# Altium PCB FMC_ADC_130M_16B_4CH.PcbDoc (part 1 of 8) (continued)
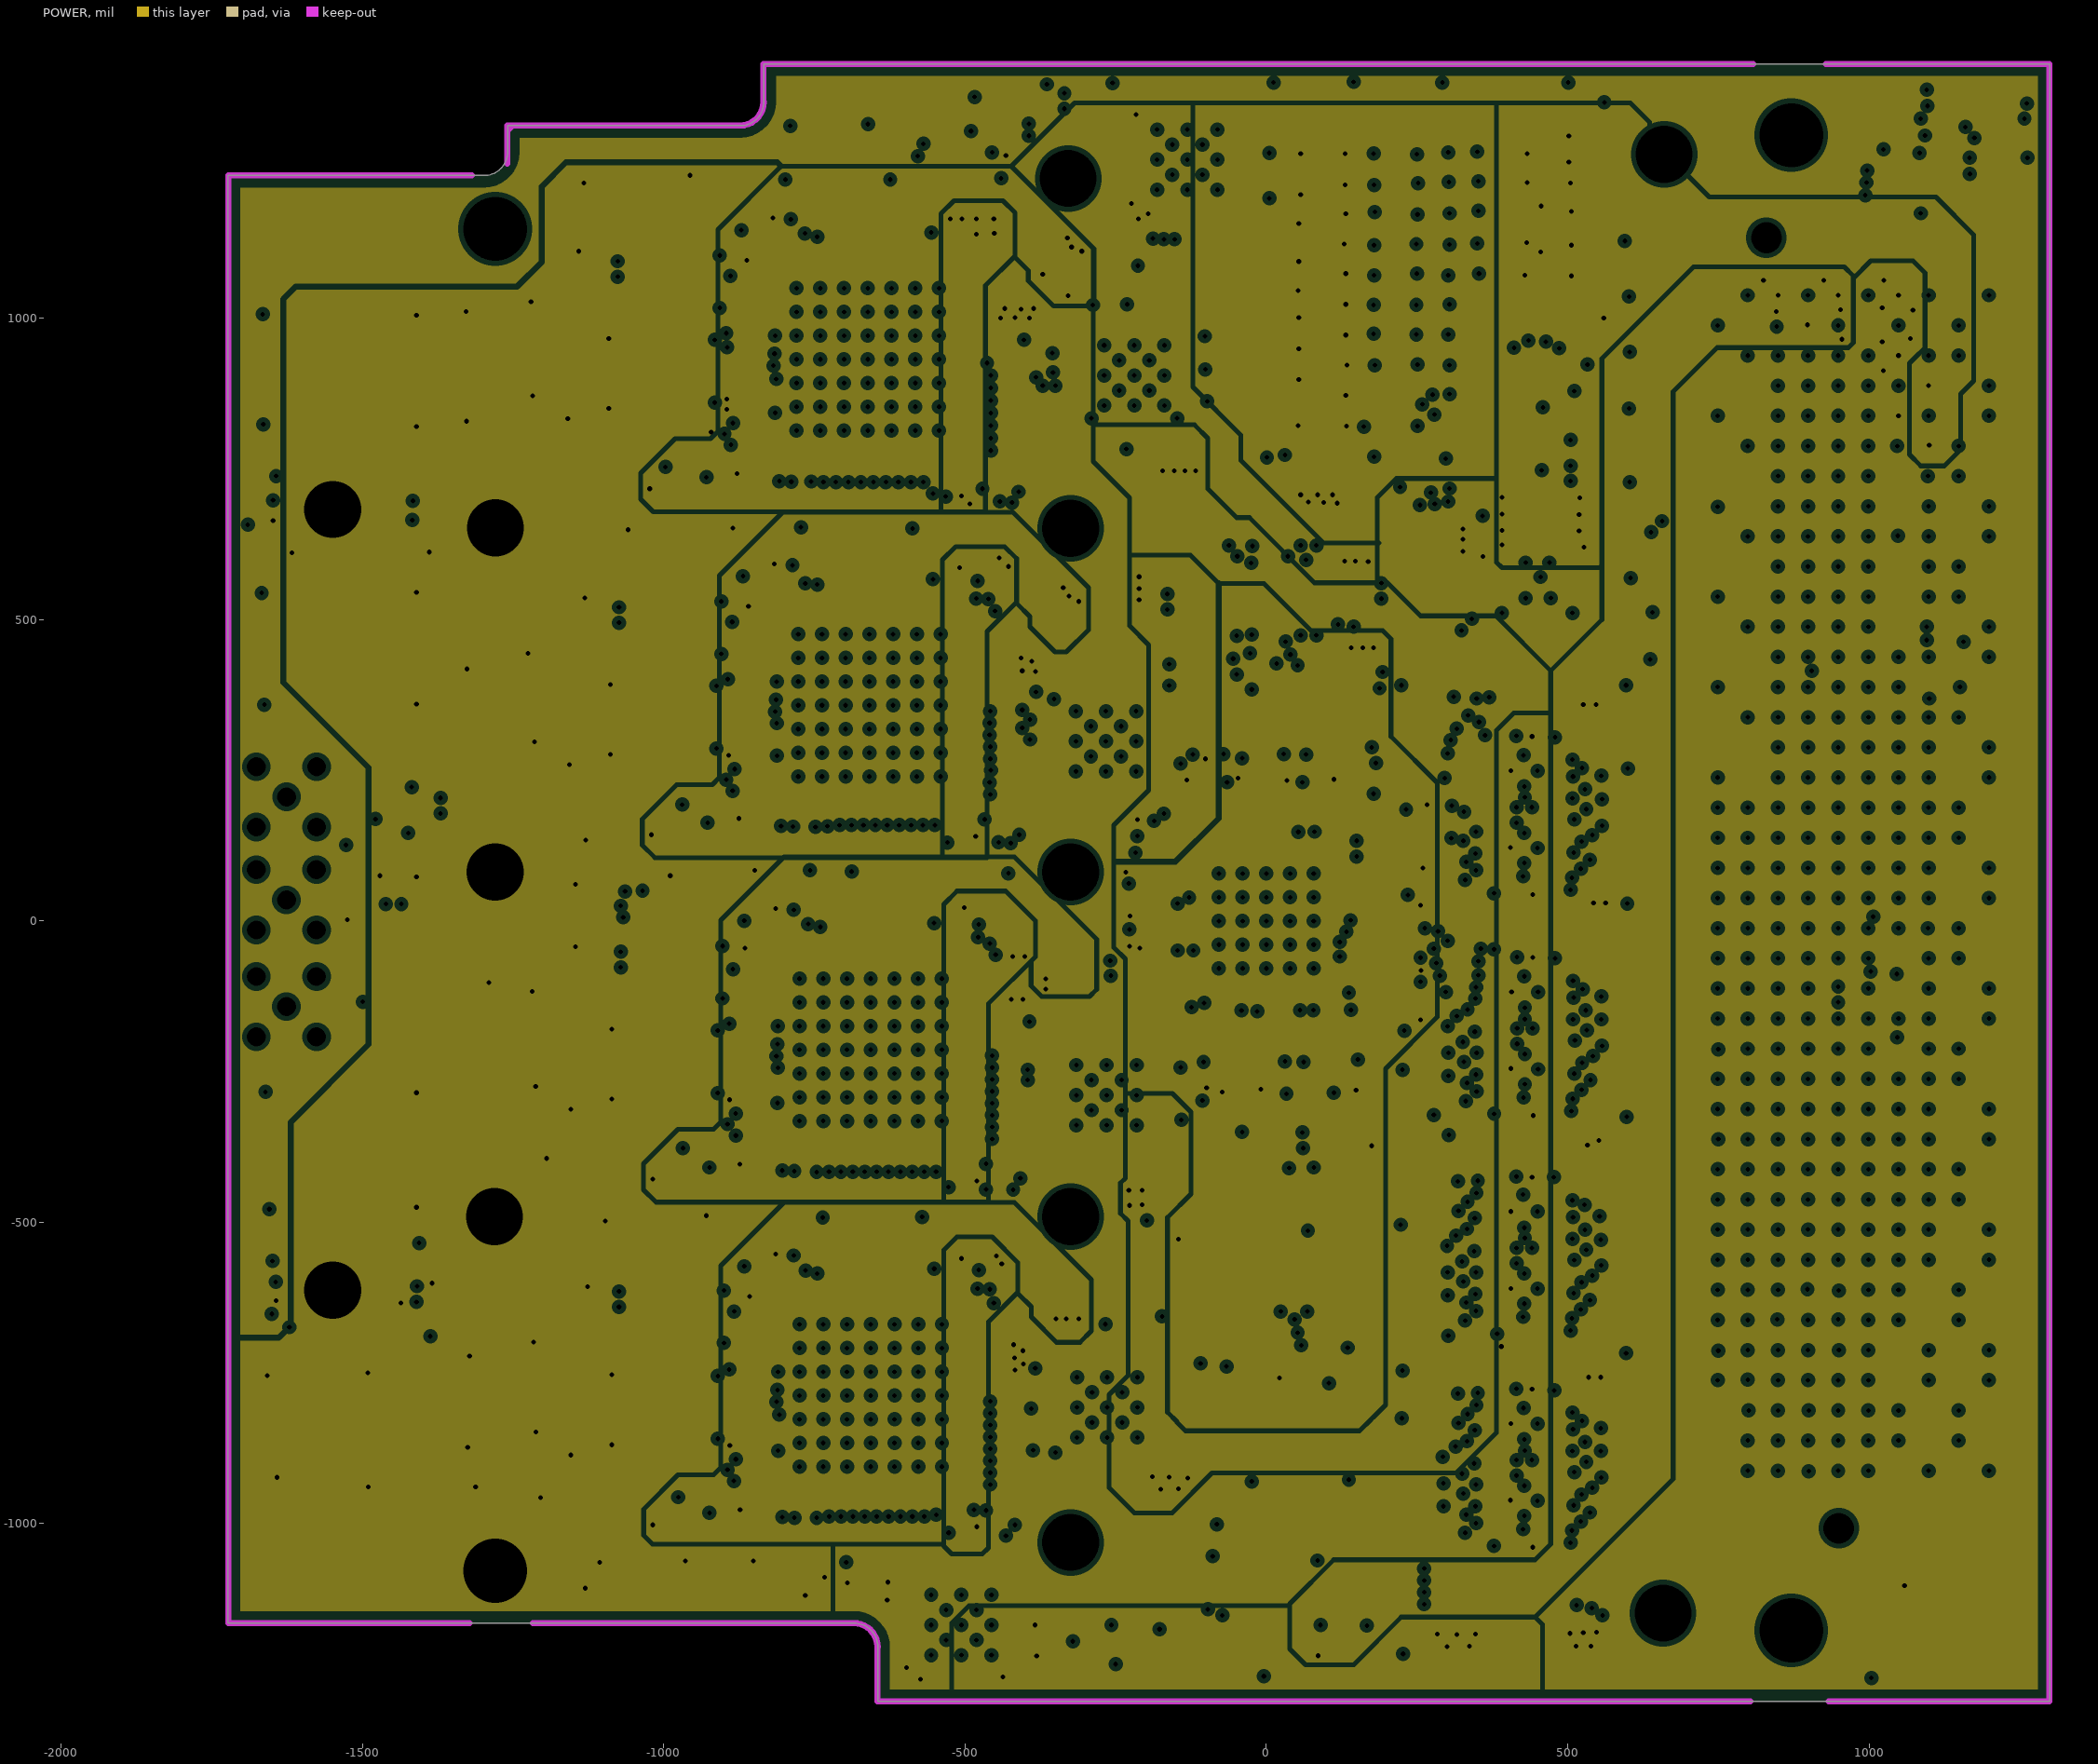
[diagram p7: POWER, clearances drawn from the general rule]
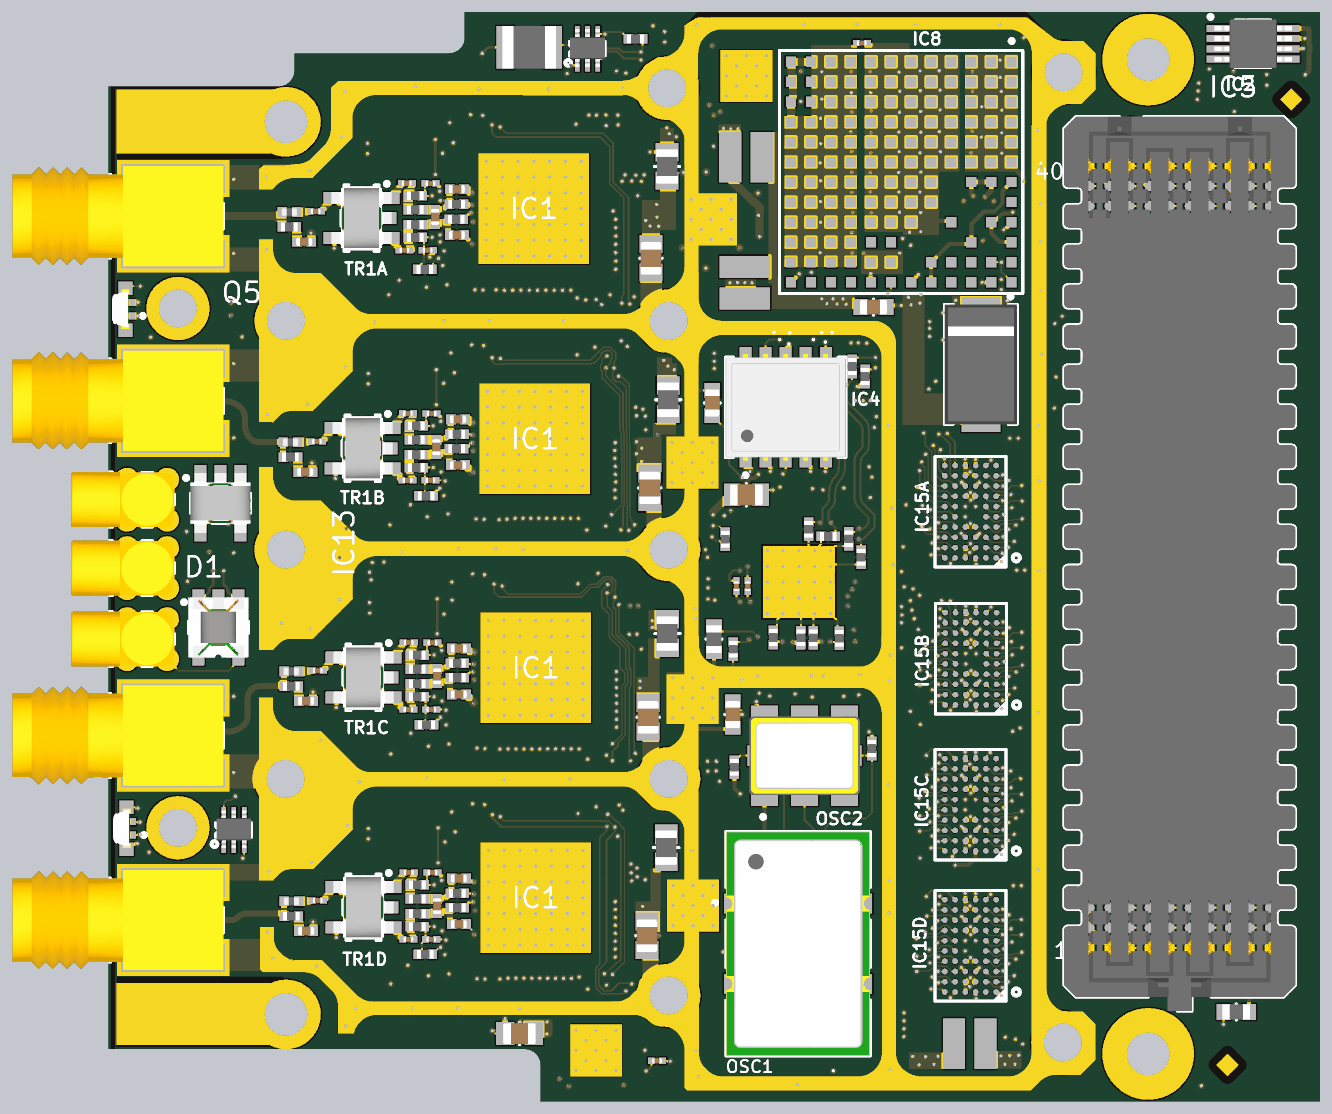
[diagram p15: 3D render of the assembled board from above, using the file's embedded part models]
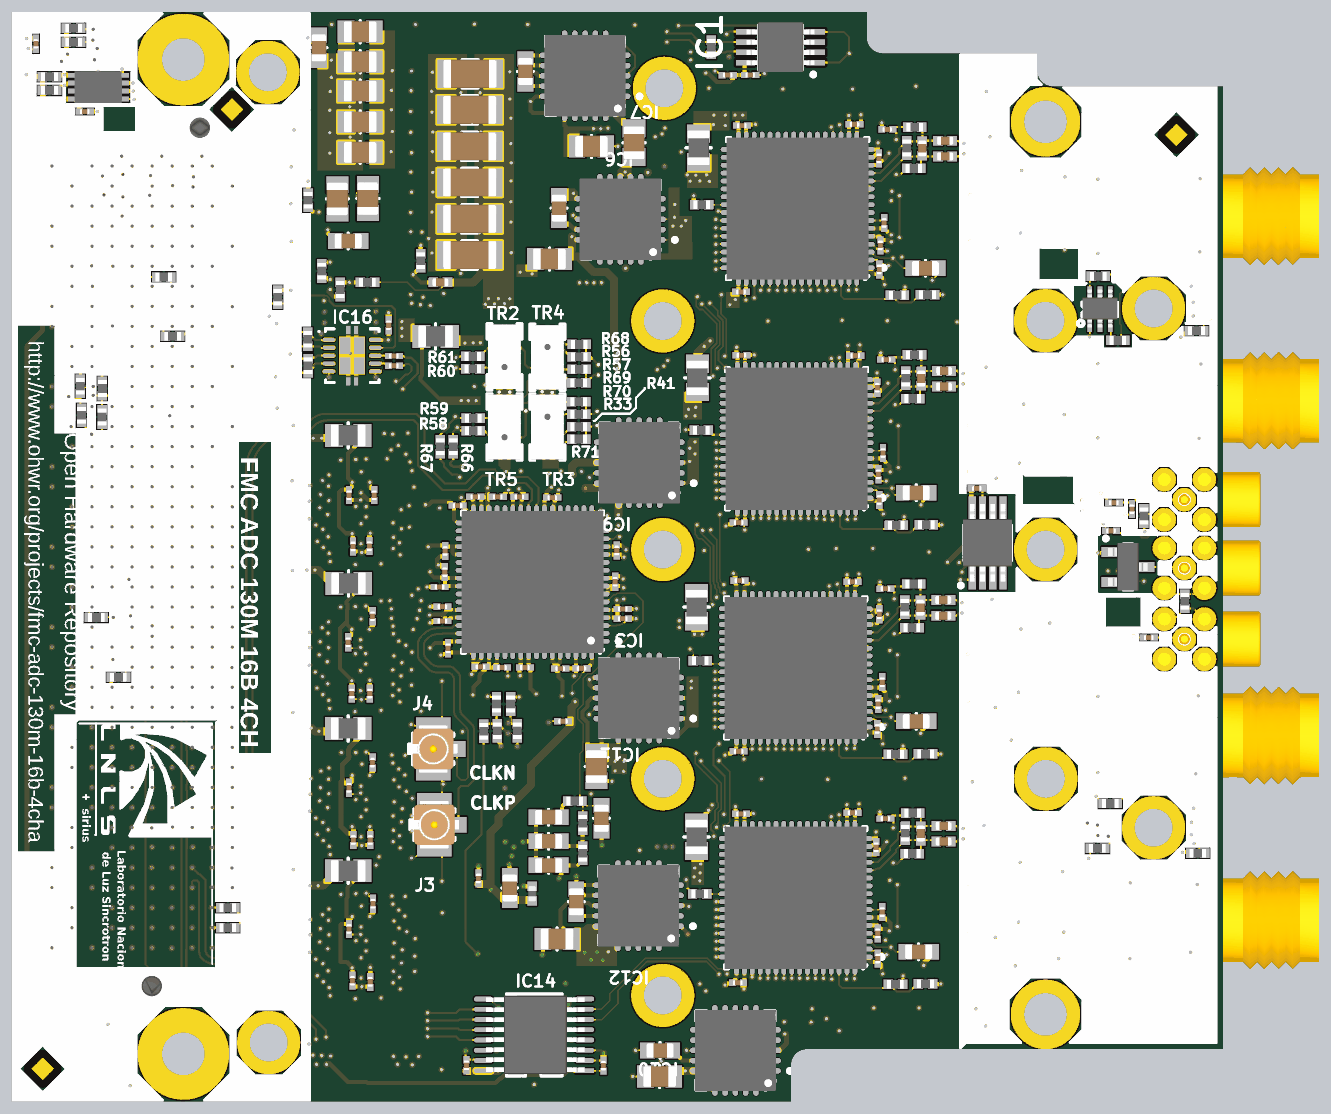
[diagram p16: 3D render of the assembled board from below, using the file's embedded part models]

## Layer stack, top to bottom
Top Layer: signal copper 1.378
Dielectric: prepreg 4.3307, FR-4, Dk 4.8
GND1: plane copper 0.7087, net GND
Dielectric: core 3.937, FR-4, Dk 4.8
L3: signal copper 0.7087
Dielectric: prepreg 11.4173, FR-4, Dk 4.8
GND2: plane copper 1.378, net GND
Dielectric: core 3.937, FR-4, Dk 4.8
L5: signal copper 1.378
Dielectric: prepreg 11.4173, FR-4, Dk 4.8
GND3: plane copper 0.7087, net GND
Dielectric: core 3.937, FR-4, Dk 4.8
POWER: plane copper 1.378, net (Multiple Nets)
Dielectric: prepreg 4.3307, FR-4, Dk 4.8
Bottom Layer: signal copper 1.378

## Board outline
-1722.68,-1164.97 -1722.68,1236.6 -1298.11,1236.6 ccw(c-1298.11,1275.97) -1258.74,1275.97 -1258.74,1319.28 -872.91,1319.28 ccw(c-872.91,1358.65) -833.54,1358.65 -833.54,1421.64 1300.32,1421.64 1300.32,-1294.9 -644.57,-1294.9 -644.57,-1204.35 ccw(c-683.94,-1204.35) -683.94,-1164.98 -683.94,-1164.97

## Design rules (kind name [scope] priority, off if disabled: settings)
AcuteAngle [All] p1: minimum=4.50000000000000E+0001 checktracksonly=FALSE
AssemblyTestPointUsage [All] p1 off:
AssemblyTestpoint [All] p1 off: testpointundercomponent=TRUE minsize=40 maxsize=100 preferedsize=60 minholesize=0 maxholesize=40 preferedholesize=32 testpointgrid=1 usegrid=TRUE gridtolerance=0.01 allowsidetop=TRUE allowsidebottom=TRUE
Clearance "Clearance_gnd l3" [(InNamedPolygon('gnd L3'))] p1: gap=15
Clearance "Clearance_poly gnd" [(InNamedPolygon('Top Layer-No Net') AND InNet('GND'))] p2: gap=10
Clearance Clearance_1 [InNet('EXT_CLK_IN') vs InNetClass('Power')] p3 off: gap=10
Clearance Clearance_trou [InNetClass('ADC_data') vs InNetClass('ADC_data')] p4 off: gap=4
Clearance [All] p5: gap=3
ComponentClearance NO_DRC [InComponentClass('NO_DRC')] p1 off: gap=0 collisioncheckmode=3 verticalgap=100000 showdistances=FALSE
ComponentClearance [All] p2 off: gap=1 collisioncheckmode=3 verticalgap=100000 showdistances=FALSE
DiffPairsRouting [All] p1: maxlimit=12 minlimit=8 mostfreqgap=10 maxuncoupledlength=600
FabricationTestPointUsage TestPointUsage [All] p1 off: valid=0 allowmultiple=FALSE
FabricationTestpoint Testpoint [All] p1 off: side=3 testpointundercomponent=TRUE minsize=40 maxsize=100 preferedsize=60 minholesize=0 maxholesize=40 preferedholesize=32 testpointgrid=1 allowsidetop=TRUE allowsidebottom=TRUE usegrid=TRUE gridtolerance=0.01
FanoutControl Fanout_BGA [IsBGA] p1 off: bgadir=Out bgaviamode=Centered fanoutstyle=Auto fanoutdirection=Alternating viagrid=1 // Fanout_BGA (Default Rule)
FanoutControl Fanout_LCC [IsLCC] p2 off: bgadir=Out bgaviamode=Centered fanoutstyle=Auto fanoutdirection=Alternating viagrid=1 // Fanout_LCC (Default Rule)
FanoutControl Fanout_SOIC [IsSOIC] p3 off: bgadir=Out bgaviamode=Centered fanoutstyle=Auto fanoutdirection=Alternating viagrid=1 // Fanout_SOIC (Default Rule)
FanoutControl Fanout_Small [(CompPinCount < 5)] p4 off: bgadir=Out bgaviamode=Centered fanoutstyle=Auto fanoutdirection=OutThenIn viagrid=1 // Fanout_Small (Default Rule)
FanoutControl Fanout_Default [All] p5 off: bgadir=Out bgaviamode=Centered fanoutstyle=Auto fanoutdirection=Alternating viagrid=1 // Fanout_Default (Default Rule)
Height Height_Top [OnTop] p1 off: minheight=0 maxheight=370 prefheight=350
Height Height_Bot [OnBottom] p2 off: minheight=0 maxheight=58 prefheight=52
HoleSize [All] p1: absolutevalues=TRUE maxlimit=1000 minlimit=7.87 maxpercent=80.000 minpercent=20.000
HoleToHoleClearance [All] p1: gap=5 allowstackedmicrovias=TRUE
MinimumAnnularRing [All] p1: minimumring=3.94
MinimumSolderMaskSliver [All] p1 off: minsoldermaskwidth=1
PlaneClearance [All] p1: clearance=8
PlaneConnect Vias_Plane [IsVia] p1: planeconnectstyle=Direct reliefexpansion=20 reliefentries=4 reliefconductorwidth=10 reliefairgap=10
PlaneConnect [All] p2: planeconnectstyle=Relief reliefexpansion=8 reliefentries=4 reliefconductorwidth=10 reliefairgap=8
PolygonConnect Direc [InPadClass(Direc)] p1: connectstyle=Direct reliefconductorwidth=10 reliefentries=4 polygonreliefangle="90 Angle" airgapwidth=10
PolygonConnect Vias [IsVia] p2: connectstyle=Direct reliefconductorwidth=10 reliefentries=4 polygonreliefangle="90 Angle" airgapwidth=10
PolygonConnect [All] p3: connectstyle=Direct reliefconductorwidth=16 reliefentries=4 polygonreliefangle="90 Angle" airgapwidth=10
RoomDefinition U_ADC2 [InComponentClass('U_ADC2')] p1 off: confinementstyle=ConfineIn formatcopy=TRUE lockcomponents=FALSE outline -1313.28,94 -283.28,94 -283.28,641 -1313.28,641
RoomDefinition U_ADC1 [InComponentClass('U_ADC1')] p2 off: confinementstyle=ConfineIn formatcopy=TRUE lockcomponents=FALSE outline -1316,668 -286,668 -286,1215 -1316,1215
RoomDefinition U_BUFFER4 [InComponentClass('U_BUFFER4')] p3 off: confinementstyle=ConfineIn formatcopy=TRUE lockcomponents=FALSE outline 311,-1065 573,-1065 573,-666 311,-666
RoomDefinition U_BUFFER3 [InComponentClass('U_BUFFER3')] p4 off: confinementstyle=ConfineIn formatcopy=TRUE lockcomponents=FALSE outline 311,-713 573,-713 573,-314 311,-314
RoomDefinition U_BUFFER2 [InComponentClass('U_BUFFER2')] p5 off: confinementstyle=ConfineIn formatcopy=TRUE lockcomponents=FALSE outline 311,-349 573,-349 573,50 311,50
RoomDefinition U_BUFFER1 [InComponentClass('U_BUFFER1')] p6 off: confinementstyle=ConfineIn formatcopy=TRUE lockcomponents=FALSE outline 311,18 573,18 573,417 311,417
RoomDefinition U_ADC4 [InComponentClass('U_ADC4')] p7 off: confinementstyle=ConfineIn formatcopy=TRUE lockcomponents=FALSE outline -1311.09,-1051 -281.09,-1051 -281.09,-504 -1311.09,-504
RoomDefinition U_ADC3 [InComponentClass('U_ADC3')] p8 off: confinementstyle=ConfineIn formatcopy=TRUE lockcomponents=FALSE outline -1311.2,-477.57 -281.2,-477.57 -281.2,69.43 -1311.2,69.43
RoomDefinition "Trigger and leds" [InComponentClass('Trigger and leds')] p9 off: confinementstyle=ConfineIn formatcopy=TRUE lockcomponents=FALSE outline -952,1095 -278,1095 -278,1411 -952,1411
RoomDefinition PS [InComponentClass('PS')] p10 off: confinementstyle=ConfineIn formatcopy=TRUE lockcomponents=FALSE outline -564,-1306 164,-1306 164,1429 -564,1429
RoomDefinition J1 [InComponentClass('J1')] p11 off: confinementstyle=ConfineIn formatcopy=TRUE lockcomponents=FALSE outline 1344.21,1166.81 641,1166.81 641,-1037 1344.21,-1037
RoomDefinition FMC_130MSPS_4CH [InComponentClass('FMC_130MSPS_4CH')] p12 off: confinementstyle=ConfineIn formatcopy=TRUE lockcomponents=FALSE outline 475,868 1275,868 1275,1399 475,1399
RoomDefinition EEPROM [InComponentClass('EEPROM')] p13 off: confinementstyle=ConfineIn formatcopy=TRUE lockcomponents=FALSE outline 803,1411 1347,1411 1347,-1235 803,-1235
RoomDefinition ClK [InComponentClass('ClK')] p14 off: confinementstyle=ConfineIn formatcopy=TRUE lockcomponents=FALSE outline -379.99,-1266.46 302,-1266.46 302,730 -379.99,730
RoutingCorners [All] p1 off: cornerstyle=45-Degree minsetback=100 maxsetback=100
RoutingLayers [All] p1 off: top layer_v5=TRUE mid layer 1_v5=TRUE mid layer 2_v5=TRUE bottom layer_v5=TRUE
RoutingVias [All] p1: holewidth=7.87 width=15.75 viastyle="Through Hole" minholewidth=7.87 minwidth=15.75 maxholewidth=118.11 maxwidth=196.85
ShortCircuit SMA_1 [InPadClass('SMA')] p2: allowed=TRUE
SilkToSilkClearance [All] p1 off: silktosilkclearance=2
SilkscreenOverComponentPads [All] p1 off: minsilkscreentomaskgap=2
SolderMaskExpansion [All] p1: expansion=4
ViasUnderSMD ViasUnderSMD_allow [InComponent('IC1A')   or InComponent('IC1B') or        InComponent('IC1C')   or InComponent('IC1D') or InComponent('IC6')   or InComponent('IC7') or InComponent('IC9')   or InComponent('IC10') or InComponent('IC11')   or InComponent('IC12') or InComponent('IC15A')     or InComponent('IC15B') or InComponent('IC15C') or InComponent('IC15D')  or InComponent('IC16')  or InComponent('IC3')] p1: allowed=TRUE
ViasUnderSMD [All] p2: allowed=FALSE
Width Width_1 [InNetClass('Buff_data')] p1 off: maxlimit=6.39 minlimit=3.74 preferedwidth=5.3 toplayer_minwidth=4.37 midlayer1_maxwidth=6.14 midlayer1_prefwidth=4.83 midlayer2_minwidth=3.86 midlayer2_maxwidth=6.32 midlayer2_prefwidth=4.98 bottomlayer_minwidth=4.37 minimp=45.000000 maximp=55.000000 favimp=50.000000
Width Width_3 [(InNet('RF1') OR InNet('RF2') OR InNet('RF3') OR InNet('RF4') OR InNet('RF5') OR InNet('RF6') OR InNet('RF7') OR InNet('EXT_CLK_IN'))] p2 off: maxlimit=5.72 minlimit=4.15 preferedwidth=5.3 toplayer_minwidth=4.73 midlayer1_maxwidth=5.33 midlayer1_prefwidth=4.83 midlayer2_minwidth=4.29 midlayer2_maxwidth=5.49 midlayer2_prefwidth=4.98 bottomlayer_minwidth=4.73 minimp=48.000000 maximp=53.000000 favimp=50.000000
Width Width_Pair_Diff [(InDifferentialPairClass('All Differential Pairs'))] p3: maxlimit=5.72 minlimit=3.74 preferedwidth=5.3 toplayer_minwidth=4 midlayer1_maxwidth=5.33 midlayer1_prefwidth=4.83 midlayer2_minwidth=3.86 midlayer2_maxwidth=5.49 midlayer2_prefwidth=4.98 bottomlayer_minwidth=4 minimp=48.000000 maximp=55.000000 favimp=50.000000
Width [All] p4: maxlimit=100 minlimit=3 preferedwidth=10 toplayer_maxwidth=20 midlayer2_maxwidth=20 minimp=45.000000 maximp=110.000000 favimp=100.000000 checkconnectedcopper=TRUE
7 further rules are at their usual default settings.

## Classes and differential pairs
net class Power: GND P3V3_ADC1 P3V3_ADC2 P3V3_ADC3 P3V3_ADC4 P3V3_CLK
channel class ADC: U_ADC1 U_ADC2 U_ADC3 U_ADC4
component class U_ADC4: C1D C2D C3D C4D C5D C6D C7D C8D C9D C11D C12D C13D C14D C15D C16D C17D C18D C19D C20D C25D C26D IC1D L1D L2D L4D R1D R2D R3D R6D R8D R9D R10D R11D R13D R14D R15D R16D R17D R18D TR1D
component class U_ADC3: C1C C2C C3C C4C C5C C6C C7C C8C C9C C11C C12C C13C C14C C15C C16C C17C C18C C19C C20C C25C C26C IC1C L1C L2C L4C R1C R2C R3C R6C R8C R9C R10C R11C R13C R14C R15C R16C R17C R18C TR1C
component class U_ADC2: C1B C2B C3B C4B C5B C6B C7B C8B C9B C11B C12B C13B C14B C15B C16B C17B C18B C19B C20B C25B C26B IC1B L1B L2B L4B R1B R2B R3B R6B R8B R9B R10B R11B R13B R14B R15B R16B R17B R18B TR1B
component class U_ADC1: C1A C2A C3A C4A C5A C6A C7A C8A C9A C11A C12A C13A C14A C15A C16A C17A C18A C19A C20A C25A C26A IC1A L1A L2A L4A R1A R2A R3A R6A R8A R9A R10A R11A R13A R14A R15A R16A R17A R18A TR1A
component class "Trigger and leds": C103 C104 D1 IC17 LD2 Q5 R28 R75 R84 R85 R87 R88
component class PS: C27 C28 C29 C30 C32 C33 C34 C35 C36 C38 C44 C51 C52 C73 C75 C76 C77 C78 C79 C80 C81 C82 C84 C85 C86 C88 C91 C92 C93 C94 C95 C96 C97 C98 C99 C100 C101 C102 IC6 IC7 IC8 IC9 IC10 IC11 IC12 L3 L6 L7 L9 L10 L12 L13 L15 R78 R79 R80 R81 R82 R83
component class FMC_130MSPS_4CH: B5 B6 B7 B8 B9 B10 B11 B12 B13 B14 B15 B16 C37 C39 IC14 J1 J5 J6 J7 J8
component class EEPROM: C31 C41 C74 FTG1 FTG2 FTG3 FTG4 FTG5 FTG6 IC2 IC5 IC13 LD1 Q1 Q2 R4 R5 R12 R32 R35 R37 R39 R42 R43 R44 R64 R65
component class ClK: C8 C10 C40 C42 C43 C45 C46 C47 C48 C49 C50 C53 C54 C55 C56 C57 C58 C59 C60 C61 C62 C63 C64 C65 C66 C67 C68 C69 C70 C71 C72 C105 C106 C107 C108 C109 C110 IC3 IC4 IC16 J2 J3 J4 J10 L5 L8 OSC1 OSC2 R7 R19 R20 R21 R22 R24 R25 R26 R29 R30 R31 R33 R34 R36 R38 R40 R41 R45 R46 R47 R48 R49 R50 R51 R52 R53 R54 R55 R56 R57 R58 R59 R60 R61 R62 R63 R66 R67 R68 R69 R70 R71 R72 R73 TR2 TR3 TR4 TR5 TR6
component class J1: B1 B2 B3 B4 J9 R23 R27 R74
pad class SMA: J6-2 J7-2
pad class Direc: B1-1 B2-1 B3-1 B4-1 J3-37 J3-38
net class ADC_data: CH1.CLKOUTA CH1.DA0 CH1.DA1 CH1.DA2 CH1.DA3 CH1.DA4 CH1.DA5 CH1.DA6 CH1.DA7 CH1.DA8 CH1.DA9 CH1.DA10 CH1.DA11 CH1.DA12 CH1.DA13 CH1.DA14 CH1.DA15 CH1.OF_A CH2.CLKOUTA CH2.DA0 CH2.DA1 CH2.DA2 CH2.DA3 CH2.DA4 CH2.DA5 CH2.DA6 CH2.DA7 CH2.DA8 CH2.DA9 CH2.DA10 CH2.DA11 CH2.DA12 CH2.DA13 CH2.DA14 CH2.DA15 CH2.OF_A CH3.CLKOUTA CH3.DA0 CH3.DA1 CH3.DA2 CH3.DA3 CH3.DA4 CH3.DA5 CH3.DA6 CH3.DA7 CH3.DA8 CH3.DA9 CH3.DA10 CH3.DA11 CH3.DA12 CH3.DA13 CH3.DA14 CH3.DA15 CH3.OF_A CH4.CLKOUTA CH4.DA0 CH4.DA1 CH4.DA2 CH4.DA3 CH4.DA4 CH4.DA5 CH4.DA6 CH4.DA7 CH4.DA8 CH4.DA9 CH4.DA10 CH4.DA11 CH4.DA12 CH4.DA13 CH4.DA14 CH4.DA15 CH4.OF_A
component class U_BUFFER1: C21A C22A C23A C24A IC15A L14A
component class U_BUFFER2: C21B C22B C23B C24B IC15B L14B
component class U_BUFFER3: C21C C22C C23C C24C IC15C L14C
component class U_BUFFER4: C21D C22D C23D C24D IC15D L14D
net class CH1: CH1.CLKOUTA CH1.DA0 CH1.DA1 CH1.DA2 CH1.DA3 CH1.DA4 CH1.DA5 CH1.DA6 CH1.DA7 CH1.DA8 CH1.DA9 CH1.DA10 CH1.DA11 CH1.DA12 CH1.DA13 CH1.DA14 CH1.DA15 CH1.OF_A
net class CH2: CH2.CLKOUTA CH2.DA0 CH2.DA1 CH2.DA2 CH2.DA3 CH2.DA4 CH2.DA5 CH2.DA6 CH2.DA7 CH2.DA8 CH2.DA9 CH2.DA10 CH2.DA11 CH2.DA12 CH2.DA13 CH2.DA14 CH2.DA15 CH2.OF_A
net class CH3: CH3.CLKOUTA CH3.DA0 CH3.DA1 CH3.DA2 CH3.DA3 CH3.DA4 CH3.DA5 CH3.DA6 CH3.DA7 CH3.DA8 CH3.DA9 CH3.DA10 CH3.DA11 CH3.DA12 CH3.DA13 CH3.DA14 CH3.DA15 CH3.OF_A
net class CH4: CH4.CLKOUTA CH4.DA0 CH4.DA1 CH4.DA2 CH4.DA3 CH4.DA4 CH4.DA5 CH4.DA6 CH4.DA7 CH4.DA8 CH4.DA9 CH4.DA10 CH4.DA11 CH4.DA12 CH4.DA13 CH4.DA14 CH4.DA15 CH4.OF_A
channel class BUFFER: U_BUFFER1 U_BUFFER2 U_BUFFER3 U_BUFFER4
net class Buff_data: B_CLKOUTAA B_CLKOUTAB B_CLKOUTAC B_CLKOUTAD B_DA0A B_DA0B B_DA0C B_DA0D B_DA1A B_DA1B B_DA1C B_DA1D B_DA2A B_DA2B B_DA2C B_DA2D B_DA3A B_DA3B B_DA3C B_DA3D B_DA4A B_DA4B B_DA4C B_DA4D B_DA5A B_DA5B B_DA5C B_DA5D B_DA6A B_DA6B B_DA6C B_DA6D B_DA7A B_DA7B B_DA7C B_DA7D B_DA8A B_DA8B B_DA8C B_DA8D B_DA9A B_DA9B B_DA9C B_DA9D B_DA10A B_DA10B B_DA10C B_DA10D B_DA11A B_DA11B B_DA11C B_DA11D B_DA12A B_DA12B B_DA12C B_DA12D B_DA13A B_DA13B B_DA13C B_DA13D B_DA14A B_DA14B B_DA14C B_DA14D B_DA15A B_DA15B B_DA15C B_DA15D B_OVFL_AA B_OVFL_AB B_OVFL_AC B_OVFL_AD
differential pair REFIN_C: +REFIN_C_P -REFIN_C_N
differential pair PASSIVE4_CLK: +PASSIVE4_CLK_P -PASSIVE4_CLK_N
differential pair PASSIVE3_CLK: +PASSIVE3_CLK_P -PASSIVE3_CLK_N
differential pair PASSIVE2_CLK: +PASSIVE2_CLK_P -PASSIVE2_CLK_N
differential pair PASSIVE1_CLK: +PASSIVE1_CLK_P -PASSIVE1_CLK_N
differential pair ACTIVE4_CLK: +ACTIVE3_CLK_P -ACTIVE3_CLK_N
differential pair ACTIVE3_CLK: +ACTIVE4_CLK_P -ACTIVE4_CLK_N
differential pair ACTIVE2_CLK: +ACTIVE2_CLK_P -ACTIVE2_CLK_N
differential pair ACTIVE1_CLK: +ACTIVE1_CLK_P -ACTIVE1_CLK_N
differential pair LA32: +LA32_P -LA32_N
differential pair CLK3_BIDIR: +CLK3_BIDIR_P -CLK3_BIDIR_N
differential pair RF_AUX: +RF_AUX_P -RF_AUX_N
differential pair EXT_CLK1: +EXT_CLK1_P -EXT_CLK1_N
differential pair CLK0_M2C: +CLK0_M2C_P -CLK0_M2C_N
differential pair REF: +REF_P -REF_N
differential pair REFIN: +REFIN_P -REFIN_N
differential pair ADC1_CLKA: +ADC1_CLKA_P -ADC1_CLKA_N
differential pair ADC1_CLKB: +ADC1_CLKB_P -ADC1_CLKB_N
differential pair ADC1_CLKC: +ADC1_CLKC_P -ADC1_CLKC_N
differential pair ADC1_CLKD: +ADC1_CLKD_P -ADC1_CLKD_N
differential pair FMC_REFCLK: +FMC_REFCLK_P -FMC_REFCLK_N
differential pair VCXO_OUT: +VCXO_OUT_P -VCXO_OUT_N
differential pair ADC1_CLK: +ADC2_CLK_P -ADC2_CLK_N
differential pair ADC2_CLK: +ADC1_CLK_P -ADC1_CLK_N
differential pair ADC3_CLK: +ADC4_CLK_P -ADC4_CLK_N
differential pair ADC4_CLK: +ADC3_CLK_P -ADC3_CLK_N
